# Allegro board STARRYSKY.brd (continued)
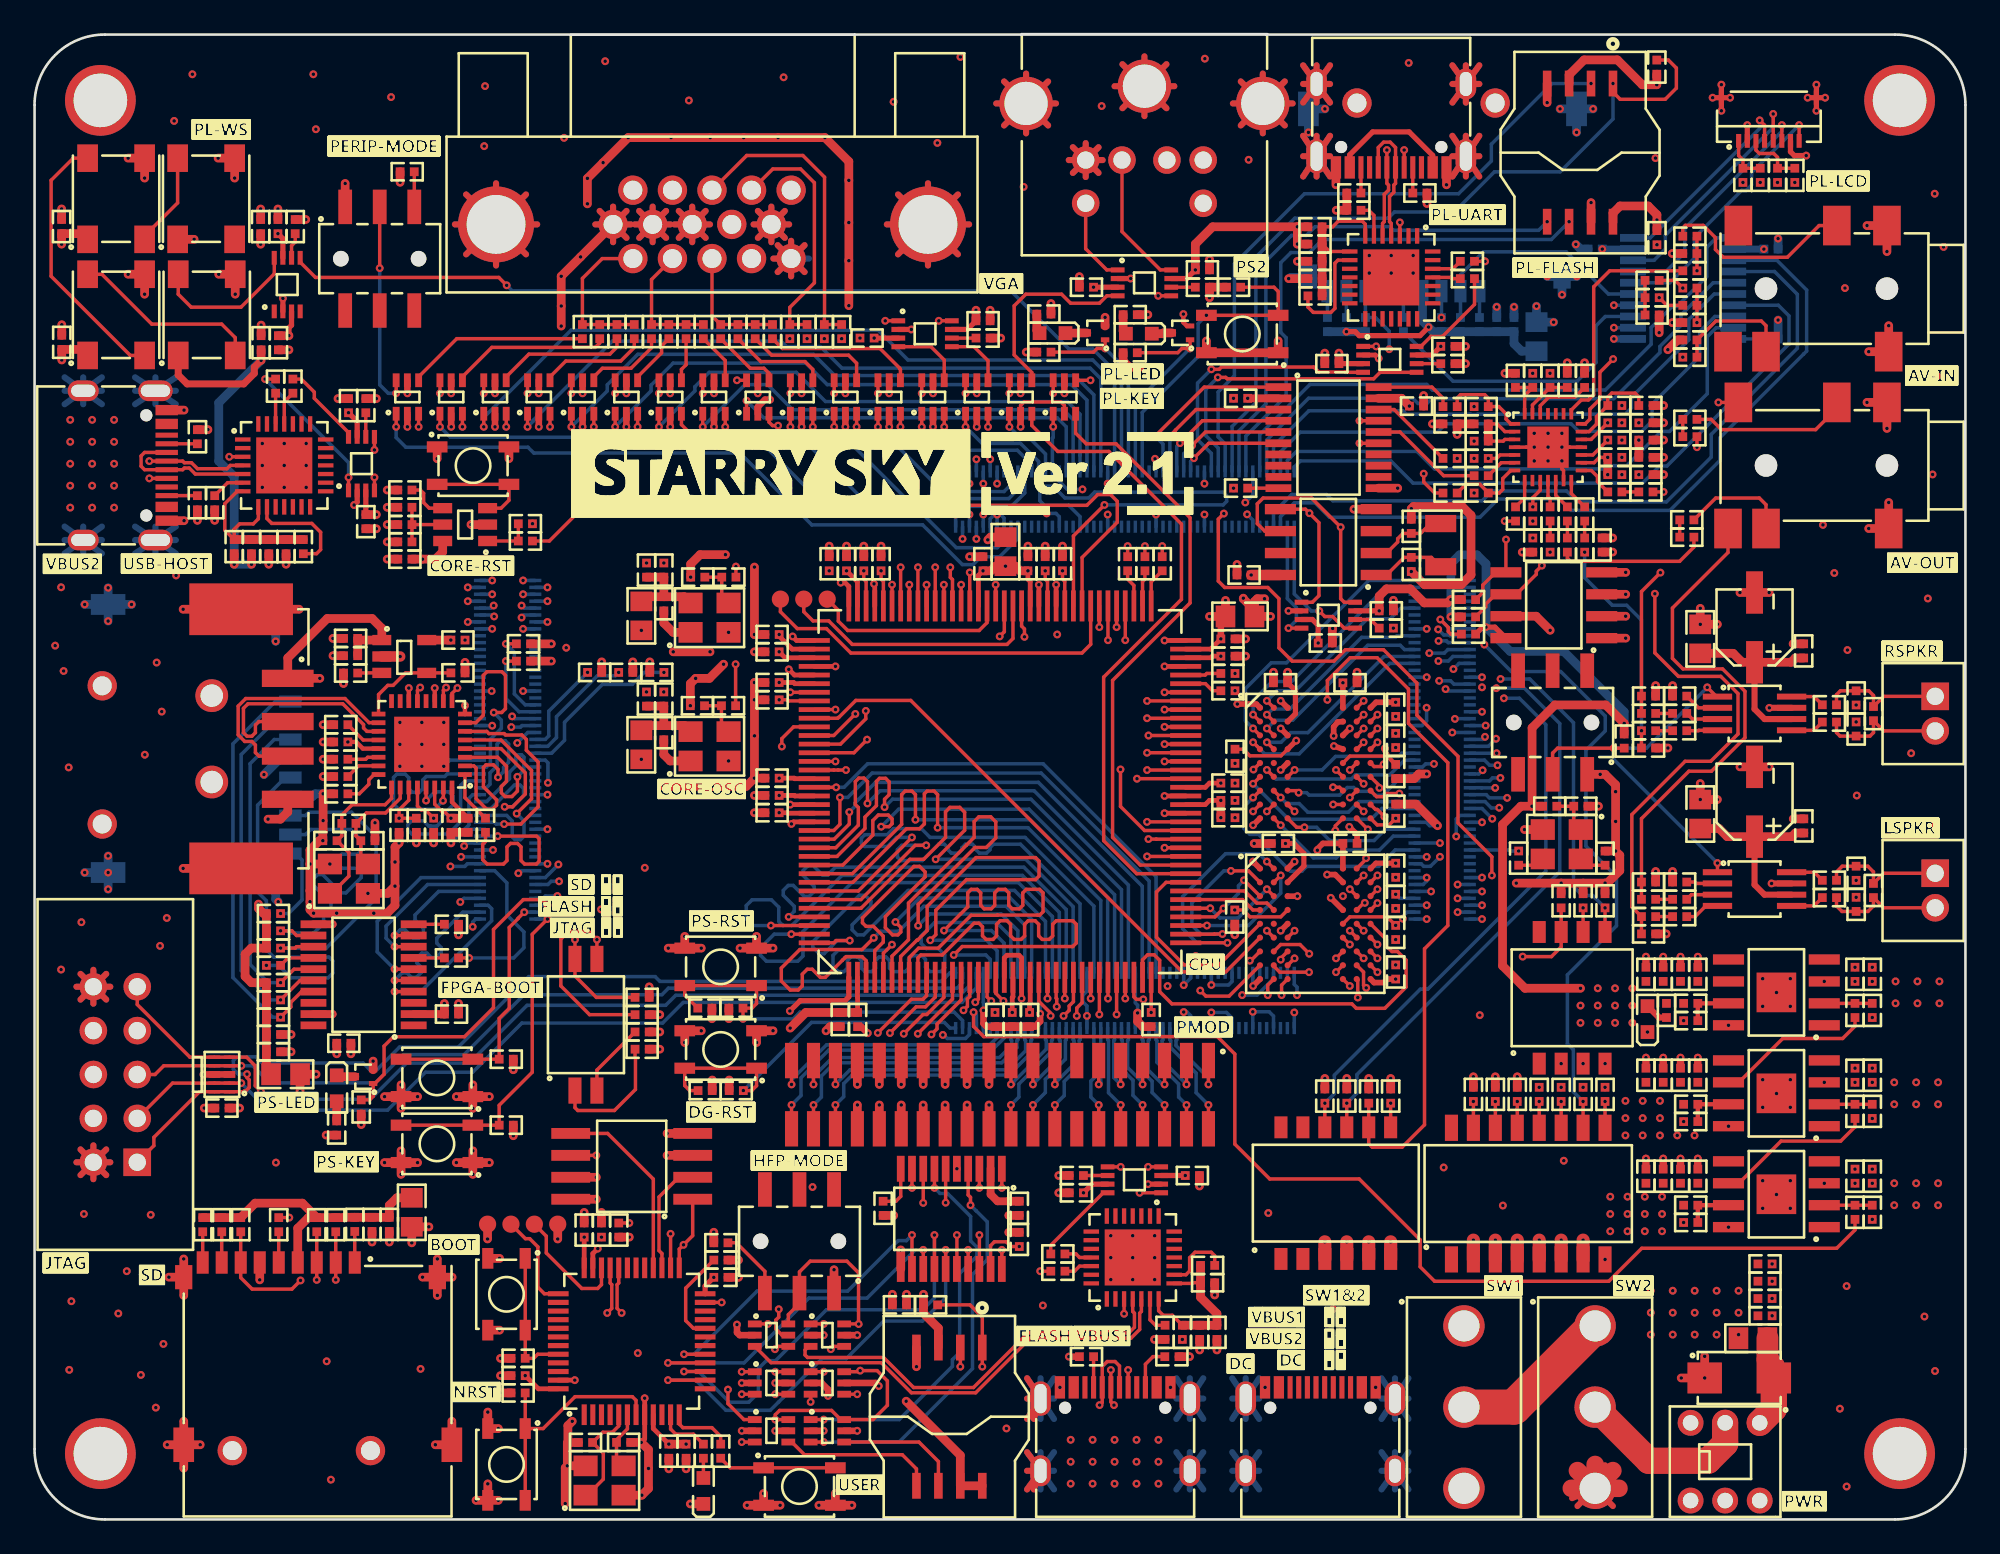
[diagram p0: board, top side]
## Routing (per net, layer and track width the routed paths; a pad name or vN(x,y) marks a point on that pad's centre or on a via; arc(x,y) is an arc through that point) (continued)
PLL_CFG1: length 66.5
  TOP w0.203: v1(89.63,35.4) SW4.6 ; U3.102 v1(50.13,55.12)
  ART06 w0.203: v1(89.63,35.4) 90.05,35.82 90.05,44.5 90.8,45.25 90.8,49.77 83.06,57.51 76.56,57.51 76.03,56.98 74.45,56.98 73.74,57.69 61.89,57.69 60.28,59.29 52.28,59.29 50.13,57.15 v1(50.13,55.12)
PLL_CFG2: length 69.4
  TOP w0.203: v1(68.84,58.23) 68.51,57.9 68.51,54.32 68.89,53.95 71.38,53.95 72.03,53.3 72.03,50.45 72.79,49.68 75.21,49.68 75.87,50.34 78.08,50.34 80.01,48.41 80.01,46.55 82.39,44.17 82.39,40.32 84.35,38.36 v1(84.35,37.28) ; R21.1 SW4.7 88.36,33.14 87.8,32.58 v1(86.13,32.58) ; U3.103 v1(49.63,54.11)
  ART03 w0.203: v1(84.35,37.28) 84.88,36.75 84.88,33.83 v1(86.13,32.58)
  ART06 w0.203: v1(68.84,58.23) 68.24,58.83 62.58,58.83 60.89,60.52 52.51,60.52 49.63,57.64 v1(49.63,54.11)
PROG_SEL: length 31
  TOP w0.203: U7.6 47.69,11.32 ; 47.69,11.32 47.69,14.28 47.02,14.95 44.9,14.95 44.27,14.33 SW8.2 44.27,12.5 43.63,11.86 U9.6 ; 47.69,11.32 v1(47.7,11.31) ; U12.6 v1(42.87,5.78) 42.87,6.06 43.13,6.31 46.13,6.31 46.66,5.78 U11.6 48.53,5.78 49.36,6.61 49.36,8.02 48.77,8.61 v1(47.79,8.61) 47.72,8.55 U14.6 ; U10.6 v1(42.87,8.55)
  ART03 w0.203: v1(42.87,8.55) 42.4,8.07 42.4,6.26 v1(42.87,5.78) ; v1(47.79,8.61) 46.86,9.54 46.86,10.93 47.24,11.31 v1(47.7,11.31)
PS2_CLK: length 11.4
  TOP w0.203: U45.4 57.72,66.39 56.7,67.41 56.7,70.25 57.38,70.93 59.44,70.93 59.97,70.4 61.63,70.4 62.06,70.83 U25.4
PS2_DAT: length 8.4
  TOP w0.203: U25.5 v1(65.03,70.83) ; U44.4 v1(61.12,65.94)
  ART03 w0.203: v1(61.12,65.94) 63.03,67.85 63.03,69.28 64.58,70.83 v1(65.03,70.83)
PS_MIO2: length 5.2
  TOP w0.203: R82.2 v1(27.28,50.69)
  BOTTOM w0.203: J25.A32 28.4,47.15 27.77,47.79 27.77,50.2 v1(27.28,50.69)
PS_MIO3: length 4.8
  TOP w0.203: R80.2 v1(27.28,49.69)
  BOTTOM w0.203: J25.A31 28.04,46.75 27.28,47.52 v1(27.28,49.69)
PS_MIO4: length 27.9
  TOP w0.203: SW13.3 v1(32.55,33.56) 32.07,34.04 30.91,34.04 30.46,33.59 30.46,30.88 32.12,29.22 R67.1
  ART03 w0.203: v1(27.64,46.49) 28.1,46.49 31.59,42.99 31.59,34.52 v1(32.55,33.56)
  BOTTOM w0.203: J25.A30 27.77,46.35 v1(27.64,46.49)
PS_MIO5: length 20.4
  TOP w0.203: R66.1 32.52,30.22 31.28,31.46 SW13.4 v1(31.28,33.56)
  ART03 w0.203: v1(31.28,33.56) 30.82,34.02 30.82,42.53 28.4,44.95 v1(27.94,44.95)
  BOTTOM w0.203: v1(27.94,44.95) 28.55,45.55 J25.A28
PS_MIO6: length 5.5
  BOTTOM w0.203: J25.A27 29.56,45.15 29.76,45.36 29.76,46.79 v1(32.01,49.03)
PS_MIO7: length 7.3
  BOTTOM w0.203: v1(33.81,49.03) 33.61,48.84 32.57,48.84 30.21,46.47 30.21,45.26 29.71,44.75 J25.A26
PS_MIO8: length 10
  BOTTOM w0.203: v1(36.43,49.03) 35.29,49.03 34.6,48.34 32.87,48.34 30.68,46.14 30.68,45.1 29.93,44.35 J25.A25
PS_MIO28: length 11.8
  TOP w0.203: U23.7 25.54,46.12 25.97,46.55 25.97,48.86 26.18,49.07 27.05,49.07 27.26,48.87 27.26,46.93 27.04,46.71 v1(26.58,46.71)
  BOTTOM w0.203: J25.B23 26.16,43.55 26.39,43.78 26.39,45.17 27.02,45.8 27.02,46.27 v1(26.58,46.71)
PS_MIO29: length 12.1
  TOP w0.203: v1(23.64,41.6) 23.64,41.79 23.66,41.81 U23.31
  BOTTOM w0.203: v1(23.64,41.6) 23.15,41.11 21.07,41.11 20.77,41.41 20.77,42.95 20.96,43.14 21.45,43.14 21.66,42.94 21.66,42.3 21.86,42.09 22.27,42.09 22.47,42.3 22.47,42.8 22.67,43.01 23.74,43.01 23.89,43.15 J25.B22
PS_MIO30: length 13.7
  TOP w0.203: U23.29 v1(22.66,41.61)
  BOTTOM w0.203: J25.B21 24.92,42.75 24.66,42.49 24.66,40.38 23.95,39.68 21.84,39.68 21.61,39.91 21.61,40.22 21.82,40.44 22.51,40.44 22.81,40.14 22.9,40.14 22.91,40.13 23.29,40.13 23.58,40.43 23.58,40.72 24.23,41.37 24.23,41.85 23.97,42.12 23.17,42.12 v1(22.66,41.61)
PS_MIO31: length 14.1
  TOP w0.203: U23.2 25.43,43.62 25.55,43.49 25.55,41.72 26.17,41.11 26.5,41.11 26.74,41.35 26.74,41.65 25.98,42.41 25.98,43.53 26.12,43.68 26.57,43.68 26.82,43.42 v1(26.82,42.96)
  BOTTOM w0.203: J25.B20 26.16,42.35 26.36,42.56 26.36,43.22 26.77,43.63 26.77,44.89 26.97,45.08 27.24,45.08 27.44,44.89 27.44,43.83 27.15,43.54 27.15,43.29 v1(26.82,42.96)
PS_MIO32: length 11.8
  TOP w0.203: v1(27.95,42.99) 27.95,42.16 27.63,41.84 27.23,41.84 27.02,42.06 27.02,42.43 27.32,42.73 27.32,43.6 26.8,44.12 U23.3
  BOTTOM w0.203: v1(27.95,42.99) 28.32,43.36 28.32,44.12 28.19,44.26 27.99,44.26 27.86,44.12 27.86,43.63 27.49,43.26 27.49,42.88 26.17,41.55 J25.B18
PS_MIO33: length 11.7
  TOP w0.203: U23.4 27,44.62 28.4,43.22 28.4,41.99 27.67,41.25 v1(27.21,41.25)
  BOTTOM w0.203: J25.B17 26.42,41.15 27.77,42.51 28.1,42.51 28.3,42.31 28.3,41.89 27.67,41.25 v1(27.21,41.25)
PS_MIO34: length 12.7
  TOP w0.203: v1(27.9,40.86) 28.77,41.72 28.77,43.35 27,45.12 U23.5
  BOTTOM w0.203: J25.B16 27.32,40.75 27.65,40.43 27.65,39.51 27.81,39.35 28.13,39.35 28.33,39.55 28.33,40.43 v1(27.9,40.86)
PS_MIO35: length 11.7
  TOP w0.203: v1(27.18,40.25) 28.14,40.25 29.15,41.25 29.15,43.85 28.46,44.53 28.46,45.15 28.21,45.41 27.26,45.41 27.18,45.49 26.3,45.49 26.17,45.62 U23.6
  BOTTOM w0.203: J25.B15 26.62,40.35 26.72,40.25 v1(27.18,40.25)
PS_MIO36: length 11.8
  TOP w0.203: v1(26.81,39.55) 29.06,39.55 29.2,39.41 29.2,38.09 29.05,37.94 28.36,37.94 28.16,38.14 28.16,38.93 27.95,39.13 27.55,39.13 27.34,38.93 27.34,38.14 27.14,37.94 26.19,37.94 25.94,38.19 25.94,39.08 26.1,39.24 R99.1
  BOTTOM w0.203: J25.B13 v1(26.81,39.55)
PS_MIO37: length 12.2
  TOP w0.203: v1(24.47,48.13) 24.16,47.81 U23.9
  ART03 w0.203: v1(24.47,48.13) 24.47,47.32 24.37,47.22 24.37,46.93 24.86,46.44 24.86,45.89 24.66,45.69 24.35,45.69 24.14,45.48 24.14,45.08 24.35,44.87 24.66,44.87 24.86,44.67 v1(24.86,38.98)
  BOTTOM w0.203: v1(24.86,38.98) 25.03,39.15 J25.B12
PS_MIO38: length 13.4
  TOP w0.203: v1(23.82,48.16) 23.66,48 U23.10
  ART03 w0.203: v1(26.53,38.75) 25.67,39.62 25.67,47.82 24.83,48.66 24.33,48.66 v1(23.82,48.16)
  BOTTOM w0.203: J25.B11 v1(26.53,38.75)
PS_MIO39: length 13
  TOP w0.203: v1(22.32,48.16) 22.16,48 U23.13
  ART03 w0.203: v1(24.69,38.35) 24.23,38.35 23.6,38.98 23.6,40.85 23.15,41.3 23.15,46.71 22.32,47.54 v1(22.32,48.16)
  BOTTOM w0.203: J25.B10 v1(24.69,38.35)
PS_MIO40: length 10
  TOP w0.203: R87.1 v1(25.15,32.5)
  BOTTOM w0.203: v1(25.15,32.5) 27.73,32.5 28.32,33.09 28.32,34.01 27.34,34.99 27.34,36.85 26.63,37.55 J25.B8
PS_MIO41: length 11.3
  TOP w0.203: U19.6 v1(20.84,31.85)
  BOTTOM w0.203: v1(20.84,31.85) 19.83,32.86 19.83,34.62 22.37,37.15 J25.B7
PS_MIO42: length 8.9
  TOP w0.203: U19.8 v1(20.84,33.15)
  BOTTOM w0.203: v1(20.84,33.15) 20.35,33.64 20.35,34.35 22.75,36.75 J25.B6
PS_MIO43: length 8.8
  TOP w0.203: U19.9 v1(20.84,33.8)
  BOTTOM w0.203: v1(20.84,33.8) 21.16,34.13 21.45,34.13 21.93,33.64 22.22,33.64 22.51,33.93 22.51,34.22 22.02,34.7 22.02,34.99 23.39,36.35 J25.B5
PS_MIO44: length 9.9
  TOP w0.203: U19.4 v1(20.84,30.55)
  BOTTOM w0.203: J25.B3 26.25,35.55 26.46,35.35 26.46,34.65 22.35,30.55 v1(20.84,30.55)
PS_MIO45: length 9.8
  TOP w0.203: U19.5 v1(20.84,31.2)
  BOTTOM w0.203: v1(20.84,31.2) 21.27,31.63 21.56,31.63 21.81,31.38 22.1,31.38 22.39,31.67 22.39,31.95 22.13,32.21 22.13,32.5 22.42,32.78 22.71,32.78 22.96,32.53 23.25,32.53 23.54,32.82 23.54,33.1 23.28,33.36 23.28,33.65 24.79,35.15 J25.B2
PS_MIO46: length 12.7
  TOP w0.203: U23.27 21.66,41.64 21.1,41.07 v1(21.1,40.59) R92.2
  ART03 w0.203: v1(25.36,34.31) 23.85,34.31 21.6,36.55 21.6,40.09 v1(21.1,40.59)
  BOTTOM w0.203: J25.B1 25.53,34.75 25.36,34.58 v1(25.36,34.31)
PS_MIO47: length 23.2
  ART03 w0.203: v1(14.24,35.07) 16.62,32.7 24.56,32.7 28,36.14 v1(28,37.41)
  BOTTOM w0.203: v1(14.24,35.07) 14.7,35.07 15.48,35.86 15.48,38.17 15.11,38.55 J7.9 ; v1(28,37.41) 28.15,37.55 J25.A8
PS_MIO48: length 31.1
  TOP w0.203: U20.5 v1(19.67,61.91)
  ART06 w0.203: v1(30.32,37.91) 30.32,40.63 28.96,41.98 28.96,46.56 26.02,49.5 26.02,56.09 20.2,61.91 v1(19.67,61.91)
  BOTTOM w0.203: v1(30.32,37.91) 29.56,37.15 J25.A7
PS_MIO49: length 31.9
  TOP w0.203: U20.4 v1(19.67,60.32)
  ART06 w0.203: v1(19.67,60.32) 21.06,60.32 25.54,55.84 25.54,48.1 26.41,47.22 27.56,47.22 28.43,46.36 28.43,41.7 29.2,40.92 29.2,37.47 29.73,36.94 v1(30.36,36.94)
  BOTTOM w0.203: J25.A6 29.72,36.75 29.9,36.94 v1(30.36,36.94)
PS_MIO51: length 20.5
  TOP w0.203: R83.2 19.39,24.29 19.6,24.49 Q1.1 19.7,25.23 20.23,25.76 20.23,27.4 20.77,27.94 24.88,27.94 26.56,29.62 26.56,34.15 28.29,35.88 29.36,35.88 v1(29.69,35.55)
  BOTTOM w0.203: J25.A3 v1(29.69,35.55)
PS_MIO52: length 15.4
  TOP w0.203: v1(28.34,35.15) 27.99,34.8 27.99,34.78 27.47,34.27 27.47,29.59 26.89,29 R85.1 SW15.3 SW15.4
  BOTTOM w0.203: J25.A2 v1(28.34,35.15)
PS_MIO53: length 19.5
  TOP w0.203: v1(29.69,34.75) 28.8,33.87 28.8,25.89 26.89,23.97 R88.1 SW16.3 SW16.4
  BOTTOM w0.203: J25.A1 v1(29.69,34.75)
PS_SD_CLK: length 2.1
  TOP w0.203: R70.1 14.67,32.5 U19.14
PS_SD_CMD: length 19
  TOP w0.203: U19.15 15.02,31.85 v1(14.24,31.07)
  BOTTOM w0.203: J7.3 13.87,45.15 12.47,43.75 12.47,32.13 13.53,31.07 v1(14.24,31.07)
PS_SD_D0: length 17.8
  TOP w0.203: v1(14.24,33.07) 15.08,33.07 15.16,33.15 U19.13
  BOTTOM w0.203: J7.7 15.69,40.75 15.88,40.94 18.35,40.94 19.77,39.52 19.77,35.95 16.89,33.07 v1(14.24,33.07)
PS_SD_D1: length 20.5
  TOP w0.203: v1(14.24,34.07) 14.89,34.07 15.16,33.8 U19.12
  BOTTOM w0.203: J7.8 15.69,39.65 15.98,39.94 18.3,39.94 18.91,39.32 18.91,38.71 18.71,38.51 17.78,38.51 17.58,38.31 17.58,37.9 17.78,37.7 18.71,37.7 18.91,37.49 18.91,37.16 18.02,36.27 17.73,36.27 16.67,37.33 16.39,37.33 16.1,37.04 16.1,36.75 17.16,35.7 17.16,35.41 16.73,34.98 16.73,34.52 16.16,33.95 14.82,33.95 14.7,34.07 v1(14.24,34.07)
PS_SD_D2: length 24.2
  TOP w0.203: U19.17 15.45,30.55 14.83,29.93 14.83,29.67 v1(14.24,29.07)
  BOTTOM w0.203: v1(14.24,29.07) 13.78,29.07 11.48,31.37 11.48,44.9 13.93,47.35 J7.1
PS_SD_D3: length 21.5
  TOP w0.203: v1(14.24,30.07) 15.37,31.2 U19.16
  BOTTOM w0.203: J7.2 13.93,46.25 11.96,44.28 11.96,31.77 13.66,30.07 v1(14.24,30.07)
PS_SRST_B: length 21.8
  TOP w0.203: v1(41.01,28.98) R69.2 41.52,29.6 41.79,29.86 SW12.1 SW12.2 37.63,30.35 C83.1
  BOTTOM w0.203: J24.B49 53.71,28.88 53.22,29.37 44.3,29.37 43.91,28.98 v1(41.01,28.98)
PS_UART_DN: length 8.3
  TOP w0.203: J9.B7 6.37,61.76 6.17,61.56 6.17,60.97 6.37,60.76 J9.A7 8.57,60.76 8.67,60.86 8.96,60.86 9.31,60.51 U22.5
PS_UART_DP: length 7.7
  TOP w0.203: U22.4 11.33,61.01 11.13,60.82 9.43,60.82 9.08,61.17 8.67,61.17 8.57,61.26 J9.A6 v1(6.64,61.26) ; J9.B6 v1(6.64,60.26)
  ART03 w0.203: v1(6.64,61.26) v1(6.64,60.26)
PS_USB_DN: length 13.4
  TOP w0.203: U23.19 19.24,45.62 19.04,45.81 19.04,46.01 17.84,47.21 12.35,47.21 12.09,46.95 12.09,45.54 12.29,45.34 12.58,45.34 12.78,45.54 12.78,45.98 12.99,46.19 J10.2
PS_USB_DP: length 14.2
  TOP w0.203: J10.3 12.99,44.19 12.78,44.39 12.78,44.83 12.58,45.03 12.17,45.03 11.78,45.42 11.78,47.08 12.22,47.52 17.97,47.52 19.37,46.12 U23.18
SOC_PS2_CLK: length 37.4
  TOP w0.203: U3.45 63.79,37.38 61.88,39.29 61.88,48.76 66.38,53.26 66.38,57.62 62.18,61.82 59.23,61.82 57.72,63.33 U45.3
SOC_PS2_DAT: length 35
  TOP w0.203: U3.46 64,37.88 62.4,39.48 62.4,48.57 66.88,53.05 66.88,57.98 62.6,62.26 60.87,62.26 60.26,62.88 U44.3
SOC_SDRAM_ADDR00: length 45.4
  TOP w0.203: U3.115 v1(43.75,47.88) ; U5.H7 v1(75.33,31.68)
  ART06 w0.203: v1(75.33,31.68) 75.88,32.23 75.88,32.73 75.64,32.97 74.48,32.97 74.24,33.2 69.6,33.2 69.32,32.92 68.63,32.92 68.05,33.5 67.46,33.5 67.09,33.87 62.36,33.87 53.34,42.89 44.12,42.89 42.73,44.28 42.73,45.48 43.75,46.5 v1(43.75,47.88)
SOC_SDRAM_ADDR01: length 37.9
  TOP w0.203: v1(77.08,30.77) 76.92,30.92 76.92,31.68 U5.H8 ; U3.10 51.63,30.32 51.43,30.11 50.76,30.11 v1(48.81,28.17)
  ART03 w0.203: v1(48.81,28.17) 50.66,26.32 73.92,26.32 77.08,29.47 v1(77.08,30.77)
SOC_SDRAM_ADDR02: length 35
  TOP w0.203: v1(76.59,30.21) 76.59,31.22 U5.J8 ; v1(49.51,28.16) 51.03,29.67 51.57,29.67 52.13,30.24 U3.11
  ART03 w0.203: v1(76.59,30.21) 76.59,29.75 73.69,26.85 50.81,26.85 v1(49.51,28.16)
SOC_SDRAM_ADDR03: length 32.8
  TOP w0.203: U3.12 52.63,30.21 51.64,29.23 51.42,29.23 v1(50.31,28.11) ; U5.J7 v1(76.13,30.88)
  ART03 w0.203: v1(50.31,28.11) 50.98,27.44 73.37,27.44 76.13,30.2 v1(76.13,30.88)
SOC_SDRAM_ADDR04: length 28.5
  TOP w0.203: v1(72.18,30.35) 72.18,30.93 U5.J3 ; v1(51.12,28.12) 53.13,30.12 U3.13
  ART06 w0.203: v1(72.18,30.35) 72.18,29.68 69.5,27 52.24,27 v1(51.12,28.12)
SOC_SDRAM_ADDR05: length 26.4
  TOP w0.203: v1(51.91,28.08) 52.24,28.4 52.24,28.67 53.63,30.07 U3.14 ; U5.J2 71.38,30.93 v1(71.38,30.35)
  ART06 w0.203: v1(71.38,30.35) 71.38,29.56 69.41,27.59 52.38,27.59 52.11,27.86 52.11,27.87 v1(51.91,28.08)
SOC_SDRAM_ADDR06: length 25.1
  TOP w0.203: U5.H3 v1(72.93,32.48) ; U3.15 54.13,30.27 53.99,30.13 53.99,29.7 v1(53.77,29.47)
  ART06 w0.203: v1(53.77,29.47) 53.77,30.92 55.92,33.08 67.62,33.08 68.29,32.42 69.63,32.42 69.99,32.78 70.71,32.78 71.54,31.95 72.4,31.95 v1(72.93,32.48)
SOC_SDRAM_ADDR07: length 27.2
  TOP w0.203: U5.H2 71.73,32.02 72.07,31.68 v1(73.77,31.68) ; U3.16 54.63,30.12 v1(54.45,29.94)
  ART03 w0.203: v1(67.21,32.61) 67.53,32.29 69.37,32.29 70.26,33.18 73.96,33.18 74.27,32.87 74.27,32.18 v1(73.77,31.68)
  ART06 w0.203: v1(67.21,32.61) 56.31,32.61 54.45,30.75 v1(54.45,29.94)
SOC_SDRAM_ADDR08: length 20
  TOP w0.203: v1(67.47,30.62) 67.79,30.29 69.14,30.29 U5.H1 ; v1(55.37,30.01) 55.13,30.25 U3.17
  ART06 w0.203: v1(67.47,30.62) 67.47,31.07 66.42,32.12 56.85,32.12 55.37,30.65 v1(55.37,30.01)
SOC_SDRAM_ADDR09: length 20.1
  TOP w0.203: v1(56.08,30.01) 55.63,30.46 U3.18 ; v1(72.13,32.4) 72.13,32.48 U5.G3
  ART03 w0.203: v1(72.13,32.4) 71.18,31.46 66.16,31.46 v1(65.58,30.88)
  ART06 w0.203: v1(65.58,30.88) 64.81,31.64 57.25,31.64 56.08,30.47 v1(56.08,30.01)
SOC_SDRAM_ADDR10: length 25.1
  TOP w0.203: U5.H9 v1(77.73,31.68) ; U3.23 58.13,29.99 58.77,29.35 58.77,29.19 v1(58.81,29.15)
  ART03 w0.203: v1(77.73,31.68) 77.37,32.04 76.46,32.04 75.54,31.12 75.54,30.4 73.12,27.98 59.39,27.98 58.81,28.56 v1(58.81,29.15)
SOC_SDRAM_ADDR11: length 22
  TOP w0.203: v1(73.78,32.75) 73.25,33.28 72.13,33.28 U5.G2 ; U3.24 v1(58.63,30.15)
  ART06 w0.203: v1(58.63,30.15) 59.14,30.66 64.27,30.66 66.09,28.84 68.31,28.84 68.79,29.32 68.79,29.94 70.21,31.36 72.73,31.36 73.46,32.09 73.46,32.42 v1(73.78,32.75)
SOC_SDRAM_ADDR12: length 18.2
  TOP w0.203: v1(70.34,32.35) 70.39,32.35 U5.G1 ; v1(59.16,29.68) 59.16,30.14 59.13,30.17 U3.25
  ART06 w0.203: v1(70.34,32.35) 67.97,29.98 65.7,29.98 64.5,31.17 58.82,31.17 58.11,30.47 58.11,29.98 58.41,29.68 v1(59.16,29.68)
SOC_SDRAM_BA0: length 20.1
  TOP w0.203: U3.26 v1(59.63,30.15) ; U5.G7 v1(75.33,32.48)
  ART06 w0.203: v1(75.33,32.48) 73.68,30.83 71.23,30.83 68.59,28.2 64.31,28.2 62.81,29.7 60.09,29.7 v1(59.63,30.15)
SOC_SDRAM_BA1: length 24.5
  TOP w0.203: U3.27 60.13,29.97 59.88,29.72 59.88,29.47 v1(59.56,29.15) ; U5.G8 v1(76.93,32.48)
  ART03 w0.203: v1(76.93,32.48) 76.15,32.48 75.62,33.01 75,33.01 74.8,32.81 74.8,30.35 72.93,28.49 59.76,28.49 59.56,28.68 v1(59.56,29.15)
SOC_SDRAM_CAS: length 40.8
  TOP w0.203: v1(43.25,44.74) 43.25,45.2 43.93,45.88 U3.119 ; U5.F7 v1(76.13,33.28)
  ART06 w0.203: v1(76.13,33.28) 75.8,33.6 74.06,33.6 73.14,34.53 71.72,34.53 70.39,35.85 62.79,35.85 54.07,44.57 43.88,44.57 43.71,44.74 v1(43.25,44.74)
SOC_SDRAM_CKE: length 33
  TOP w0.203: U5.F3 v1(72.93,34.08) ; U3.124 46.26,43.38 46.26,43.38 46.51,43.38 v1(46.97,43.38)
  ART06 w0.203: v1(46.97,43.38) 53.68,43.38 62.7,34.36 67.23,34.36 67.67,33.92 68.05,33.92 68.49,34.36 69.67,34.36 70.43,33.61 72.45,33.61 v1(72.93,34.08)
SOC_SDRAM_CLK: length 31
  TOP w0.203: U5.F2 v1(71.33,34.08) ; U3.123 v1(46.36,43.88)
  ART06 w0.203: v1(46.36,43.88) 46.81,43.88 46.98,44.04 53.83,44.04 63.04,34.84 68.05,34.84 68.06,34.82 69.9,34.82 70.64,34.08 v1(71.33,34.08)
SOC_SDRAM_CS: length 45.2
  TOP w0.203: U3.121 46.65,44.88 48.11,46.34 v1(48.11,46.8) ; U5.G9 v1(77.73,32.48)
  ART06 w0.203: v1(48.11,46.8) 54.72,46.8 63.73,37.8 67.91,37.8 69.7,39.59 71.22,39.59 72.14,38.67 73.15,38.67 74.03,37.79 77.83,37.79 78.25,37.37 78.25,33.01 v1(77.73,32.48)
SOC_SDRAM_DATA00: length 27.1
  TOP w0.203: U5.A8 77.07,38.22 v1(77.07,38.28) ; U3.28 60.63,29.91 60.33,29.61 v1(60.33,29.15)
  ART03 w0.203: v1(77.07,38.28) 73.42,38.28 73.03,38.67 72.21,38.67 71.27,39.62 66.86,39.62 60.33,33.09 v1(60.33,29.15)
SOC_SDRAM_DATA01: length 24.3
  TOP w0.203: U5.B9 v1(77.73,37.28) ; U3.29 v1(61.13,30.15)
  ART03 w0.203: v1(61.13,30.15) 61.13,33.19 66.47,38.53 71.57,38.53 72.46,37.65 73.11,37.65 73.3,37.84 77.17,37.84 v1(77.73,37.28)
SOC_SDRAM_DATA02: length 24.8
  TOP w0.203: U5.B8 v1(76.93,37.28) ; U3.30 v1(61.63,29.23)
  ART03 w0.203: v1(76.93,37.28) 76.47,37.28 76.34,37.41 75.58,37.41 75.07,36.9 74.63,36.9 74.35,37.18 72.64,37.18 72.18,36.72 71.82,36.72 71.34,37.2 70.69,37.2 69.88,38 68.87,38 68.41,37.54 66.43,37.54 61.63,32.74 v1(61.63,29.23)
SOC_SDRAM_DATA03: length 22.3
  TOP w0.203: U5.C9 v1(77.73,36.48) ; U3.31 v1(62.13,30.15)
  ART03 w0.203: v1(77.73,36.48) 77.4,36.8 76.44,36.8 76.31,36.94 75.87,36.94 75.34,36.41 73.37,36.41 73.27,36.51 72.9,36.51 72.38,36 70.31,36 69.73,36.58 66.33,36.58 62.13,32.37 v1(62.13,30.15)
SOC_SDRAM_DATA04: length 21.5
  TOP w0.203: U3.32 v1(62.63,29.23) ; U5.C8 v1(76.13,36.48)
  ART03 w0.203: v1(62.63,29.23) 62.63,32.03 66.44,35.84 69.8,35.84 70.09,35.55 75.81,35.55 76.19,35.93 76.19,36.41 v1(76.13,36.48)
SOC_SDRAM_DATA05: length 20.4
  TOP w0.203: U3.33 v1(63.13,30.15) ; U5.D9 v1(77.73,35.68)
  ART03 w0.203: v1(63.13,30.15) 63.13,31.72 66.24,34.84 69.27,34.84 69.4,34.7 69.69,34.7 70.08,35.09 76.12,35.09 76.56,35.53 76.56,35.93 76.84,36.2 77.21,36.2 v1(77.73,35.68)
SOC_SDRAM_DATA06: length 19.2
  TOP w0.203: U3.34 63.63,30.25 63.77,30.11 v1(64.17,30.11) ; v1(77,35.69) 76.94,35.69 U5.D8
  ART03 w0.203: v1(64.17,30.11) 64.17,32.06 65.28,33.16 67.68,33.16 68.01,32.83 69.14,32.83 70.9,34.59 76.39,34.59 77,35.19 v1(77,35.69)
SOC_SDRAM_DATA07: length 23.9
  TOP w0.203: U5.E9 78.24,33.57 78.24,33.2 78.57,32.87 78.89,32.87 79.38,32.38 79.38,30.82 78.15,29.59 76.5,29.59 76.25,29.84 65.83,29.84 65.12,30.55 65.12,32.37 64.81,32.68 64.42,32.68 64.13,32.39 U3.35
SOC_SDRAM_DATA08: length 12.2
  TOP w0.203: U3.44 65.49,36.88 64.94,36.32 64.94,33.7 66.54,32.1 68.55,32.1 U5.E1
SOC_SDRAM_DATA09: length 5.6
  TOP w0.203: U3.43 70.04,36.38 70.74,35.68 71.33,35.68 U5.D2
SOC_SDRAM_DATA10: length 4.5
  TOP w0.203: U3.42 69.92,35.88 70.52,35.28 U5.D1
SOC_SDRAM_DATA11: length 6.2
  TOP w0.203: U3.41 v1(68.05,35.38) ; U5.C2 v1(71.33,36.48)
  BOTTOM w0.203: v1(68.05,35.38) 68.61,34.82 69.67,34.82 v1(71.33,36.48)
SOC_SDRAM_DATA12: length 5.8
  TOP w0.203: U5.C1 v1(70,37) ; U3.40 68.32,34.88 v1(68.81,35.37)
  BOTTOM w0.203: v1(70,37) 69.68,36.68 69.68,36.24 v1(68.81,35.37)
SOC_SDRAM_DATA13: length 7.9
  TOP w0.203: U3.39 v1(67.86,34.38) ; U5.B2 v1(72.13,37.28)
  BOTTOM w0.203: v1(72.13,37.28) 72.13,36.25 70.25,34.38 v1(67.86,34.38)
SOC_SDRAM_DATA14: length 10.4
  TOP w0.203: v1(68.75,33.89) 68.3,33.89 68.29,33.88 U3.38 ; U5.B1 70.27,37.54 v1(69.25,37.54)
  BOTTOM w0.203: v1(69.25,37.54) 68.83,37.54 66.98,35.7 66.98,34.39 67.5,33.88 68.29,33.88 68.3,33.89 v1(68.75,33.89)
SOC_SDRAM_DATA15: length 13.9
  TOP w0.203: U5.A2 v1(71.33,38.08) ; U3.37 v1(69.04,33.38)
  BOTTOM w0.203: v1(71.33,38.08) 70.87,38.54 68.93,38.54 66.45,36.05 66.45,34.2 67.27,33.38 v1(69.04,33.38)
SOC_SDRAM_DQM0: length 38.3
  TOP w0.203: U3.117 v1(46.36,46.88) ; U5.E8 v1(76.93,34.08)
  ART06 w0.203: v1(46.36,46.88) 47.55,45.68 54.35,45.68 63.25,36.79 69.15,36.79 69.85,37.5 70.97,37.5 72.85,35.61 73.62,35.61 74.29,34.94 76.07,34.94 v1(76.93,34.08)
SOC_SDRAM_DQM1: length 33.6
  TOP w0.203: U3.118 46.48,46.38 46.53,46.42 46.55,46.42 47.53,47.41 50.71,47.41 66.43,31.7 68.95,31.7 U5.F1
SOC_SDRAM_RAS: length 36.5
  TOP w0.203: U5.F8 v1(76.13,34.08) ; U3.122 47.42,44.38 v1(48.18,45.14)
  ART06 w0.203: v1(48.18,45.14) 54.23,45.14 63.06,36.3 70.71,36.3 71.93,35.09 73.32,35.09 74.33,34.08 v1(76.13,34.08)
SOC_SDRAM_WE: length 40.7
  TOP w0.203: U5.F9 v1(77.73,33.28) ; v1(47.51,46.63) 46.26,45.38 U3.120
  ART06 w0.203: v1(77.73,33.28) 77.73,34.01 76.18,35.55 74.54,35.55 71.48,38.6 69.5,38.6 68.22,37.33 63.44,37.33 54.54,46.23 47.9,46.23 v1(47.51,46.63)
SOC_SPI_CLK: length 88.1
  TOP w0.203: R20.2 v1(63.27,56.34) ; U13.4 54.04,18.79 54.17,18.65 v1(54.17,18.19) ; U11.3 v1(45.68,4.48)
  ART03 w0.203: v1(63.27,56.34) 63.27,55.19 66.02,52.43 66.02,43.85 64.52,42.35 59.98,42.35 50.3,32.67 45.93,32.67 43.26,30 43.26,20.12 44.69,18.7 50.35,18.7 51.18,17.87 53.85,17.87 v1(54.17,18.19)
  BOTTOM w0.203: v1(54.17,18.19) 54.5,17.87 54.5,17.87 55.14,17.23 55.14,15.04 54.29,14.18 54.29,8.73 50.04,4.48 v1(45.68,4.48)
SOC_SPI_CS0: length 69.6
  TOP w0.203: U10.3 v1(40.93,7.25) ; R22.2 v1(64.27,56.34)
  ART03 w0.203: v1(45.03,19.24) 44.29,19.98 44.29,29.57 46.9,32.18 51.14,32.18 52.6,33.63 52.83,33.63 61.02,41.82 64.7,41.82 66.62,43.74 66.62,52.84 64.27,55.19 v1(64.27,56.34)
  ART06 w0.203: v1(45.03,19.24) 45.03,16.75 42.24,13.96 42.24,13.56 39.6,10.92 39.6,7.3 39.97,6.93 40.61,6.93 v1(40.93,7.25)
SOC_SPI_CS1: length 63.7
  TOP w0.203: U13.1 v1(55.99,19.19) ; R24.2 v1(65.27,56.34)
  ART03 w0.203: v1(65.27,56.34) 65.27,55.12 67.15,53.24 67.15,42.95 65.53,41.34 61.57,41.34 53.36,33.13 53.01,33.13 52.75,32.86 52.75,32.51 51.85,31.62 47.02,31.62 44.77,29.37 44.77,27.33 45.62,26.48 45.62,21.98 47.85,19.75 52.24,19.75 53.25,18.74 55.07,18.74 55.53,19.19 v1(55.99,19.19)
SOC_SPI_MISO: length 64.6
  TOP w0.203: U14.3 v1(44.92,6.8)
  ART03 w0.203: v1(53.39,20.3) 52.99,20.69 52.67,20.69 49.53,23.83 49.53,24.29 49.23,24.59 48.68,24.59 48.26,25 48.26,25.61 46.41,27.46 46.41,29.52 47.37,30.49 52.61,30.49 62.03,39.91 66.14,39.91 68.17,41.93 68.17,46.66 v1(69.48,47.97)
  ART06 w0.203: v1(53.39,20.3) 53.39,17.62 52.74,16.97 52.74,16.26 51.32,14.85 49.61,14.85 48.31,13.54 48.31,10.19 v1(44.92,6.8)
SOC_SPI_MOSI: length 76.4
  TOP w0.203: U13.3 v1(54.69,19.19) ; U12.3 v1(40.93,4.48)
  ART03 w0.203: v1(54.69,19.19) 53.62,19.19 52.55,20.26 51.57,20.26 48.26,23.57 48.26,24.24 47.91,24.59 47.4,24.59 46.99,25 46.99,25.95 45.35,27.59 45.35,29.07 47.33,31.05 52.31,31.05 62.1,40.84 64.73,40.84 65.14,40.42 65.63,40.42 67.66,42.45 67.66,47.15 v1(69.48,48.97)
  ART06 w0.203: v1(54.69,19.19) 54.69,17.83 54.04,17.18 54.04,16.26 52.13,14.36 49.96,14.36 49.03,13.43 49.03,8.96 48,7.93 47.56,7.93 46.11,6.48 45.66,6.48 43.66,4.48 v1(40.93,4.48)
SOC_UART_RX: length 44.5
  TOP w0.203: U15.4 v1(64.45,20.41) ; U3.47 v1(64.39,38.38)
  ART03 w0.203: v1(64.39,38.38) 62.53,38.38 54.73,30.58 54.18,30.58 52.88,29.28 48.43,29.28 47.65,28.49 47.65,27.9 48.02,27.53 48.54,27.53 50.98,25.09 50.98,24.8 51.19,24.6 59.81,24.6 63.99,20.41 v1(64.45,20.41)
SOC_UART_TX: length 45.2
  TOP w0.203: U3.48 v1(65.4,38.88) ; U15.5 v1(62.86,20.41)